# Altium PCB 布线后WiFiSameScreen _STC15W4K48S4.PcbDoc
Units mil, origin at the board's own origin, x right, y up, seen from the top; angles counter-clockwise.
Board outline 2919 x 1899 mil, 2 copper layers (Top Layer, Bottom Layer); 42 components, 58 nets, 246 pads, 43 vias.
Unrouted connection lines stored in the file: 21.
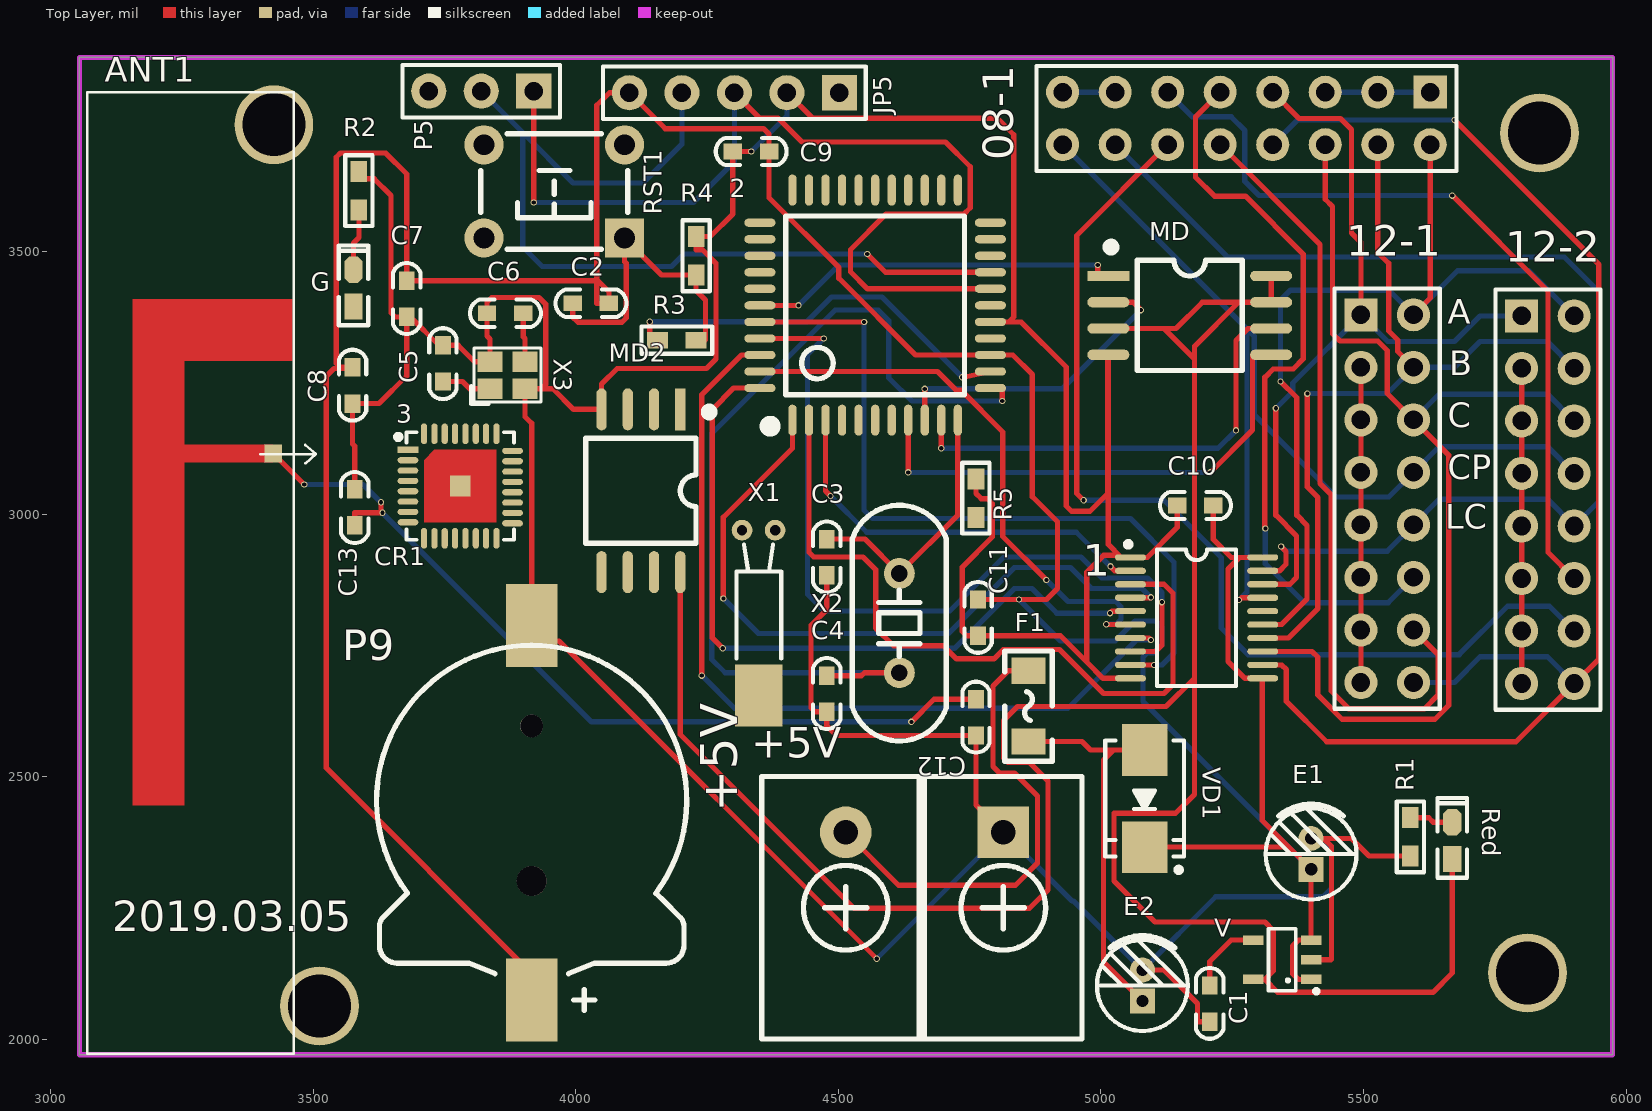
[diagram p0: Top Layer view]
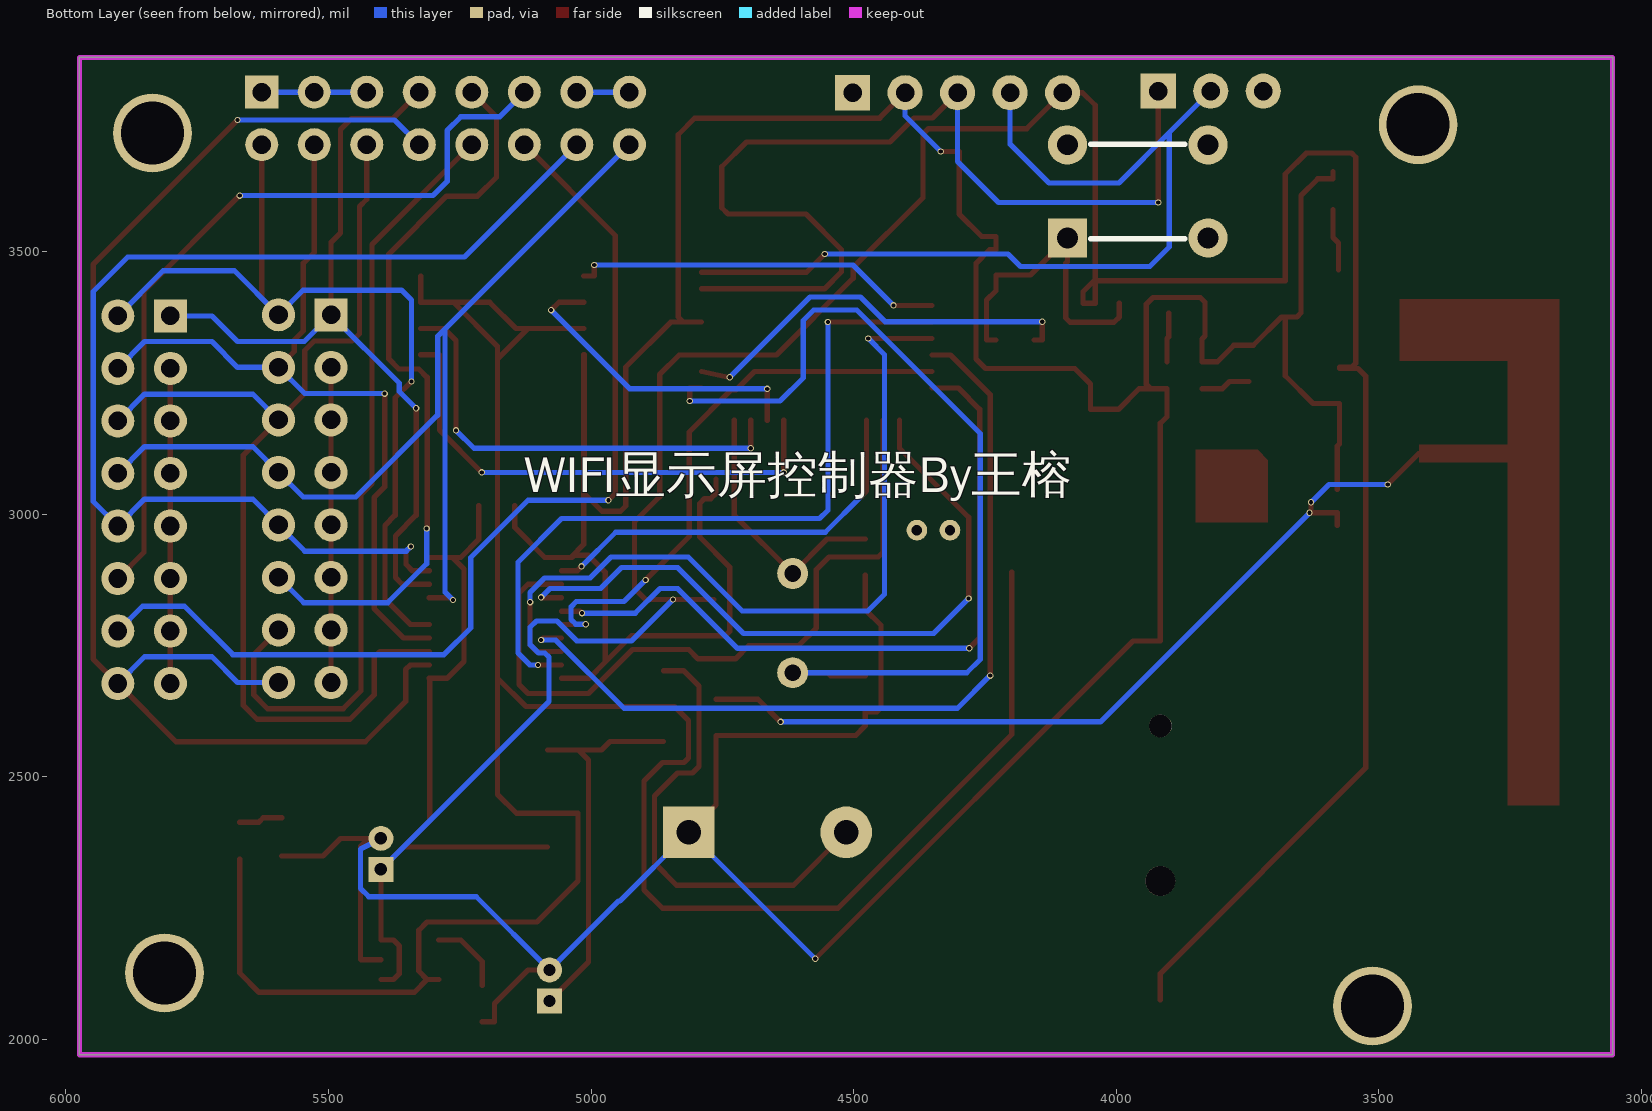
[diagram p1: Bottom Layer view, seen from below]

## Layer stack, top to bottom
Top Solder: solder mask 0.4, Solder Resist, Dk 3.5
Top Layer: signal copper 1.4
Dielectric 1: dielectric 12.6, FR-4, Dk 4.8
Bottom Layer: signal copper 1.4
Bottom Solder: solder mask 0.4, Solder Resist, Dk 3.5

## Board outline
3055,1971 5974,1971 5974,3870 3055,3870

## Design rules (kind name [scope] priority, off if disabled: settings)
Clearance [All] p1: gap=10 ignorepadtopadclearanceinfootprint=FALSE except(0: Arc-Hole Track-Hole SMDPad-Hole THPad-Hole Via-Hole Fill-Hole Poly-Hole Region-Hole Text-Hole)
HoleSize [All] p1: absolutevalues=TRUE maxlimit=150 minlimit=1 maxpercent=80.000 minpercent=20.000
HoleToHoleClearance [All] p1: gap=1 allowstackedmicrovias=TRUE
MinimumSolderMaskSliver [All] p1: minsoldermaskwidth=1
NetAntennae [All] p1: netantennaetolerance=2
PolygonConnect [All] p1: connectstyle=Relief reliefconductorwidth=10 reliefentries=4 polygonreliefangle="90 Angle" airgapwidth=10
RoutingVias [All] p1: holewidth=8 width=12 viastyle="Through Hole" minholewidth=28 minwidth=50 maxholewidth=28 maxwidth=50
SilkToSilkClearance [All] p1: silktosilkclearance=0
SilkToSolderMaskClearance [IsPad] p1: minsilkscreentomaskgap=0 clearancetoexposedcopper=TRUE
SolderMaskExpansion [All] p1: expansion=4
Width [All] p1: maxlimit=120 minlimit=6 preferedwidth=10
24 further rules are at their usual default settings.

## Components (designator, comment, footprint, x,y, rotation, side; value= is the part's Value field where it differs from the comment)
1 "74HC573" TSSOP20_N 5182,2803 r0 top
2 "STC15W4K48S4" "LQFP44 10X10_L" 4570,3398 r0 top
3 "8266EX" "QFN32 5x5_M" 3780,3054 r270 top
08-1 "Header 8X2" HDR2.54-LI-2x8P 5277,3754 r180 top (schematic designator JP3)
12-1 "Header 8X2" HDR2.54-LI-2x8P 5545,3030 r270 top (schematic designator JP1)
12-2 "Header 8X2" HDR2.54-LI-2x8P 5851,3028 r270 top (schematic designator JP2)
+5V "RS485" KF7620-2P 4664,2251 r180 top (schematic designator 5V)
ANT1 "ANT1" 2.4GANTF2 3290,3116 r90 top
C1 "104" "C 0603" 5207,2069 r90 top
C2 "10uF" "C 0603" 4029,3402 r0 top
C3 "104" "C 0603" 4478,2919 r90 top
C4 "104" "C 0603" 4478,2659 r90 top
C5 "6.8pF" "C 0603" 3747,3287 r270 top
C6 "6.8pF" "C 0603" 3866,3383 r0 top
C7 "1uF" "C 0603" 3678,3411 r90 top
C8 "1uF" "C 0603" 3575,3246 r90 top
C9 "10uF" "C 0603" 4334,3691 r0 top
C10 "0.1uF" "C 0603" 5180,3017 r0 top
C11 "TBD(NC)" "C 0603" 4766,2804 r90 top
C12 "2.4pF" "C 0603" 4762,2614 r90 top
C13 "3.0pF" "C 0603" 3579,3013 r270 top
CR1 "1220" CR1220_B 3916,2455.54 r270 top
E1 "10uF/10V" "CAP 1.5*4*8" 5400,2353.53 r90 top
E2 "10uF/10V" "CAP 1.5*4*8" 5079,2103 r90 top
F1 "MSMD200-8V 2A" "FU 1206" 4862,2635 r270 top
G "绿色" "LED 0603G" 3577,3431 r90 top
JP5 "HDR-1X5" HDR2.54-LI-5P 4302,3803 r180 top
MD "MD25BQSIG" SOP8W_L 5169,3379 r0 top
MD2 "MD25BQSIG" SOP8W_L 4124,3045 r270 top
P5 "HDR-1X3" HDR-1X3 3920,3806 r180 top (schematic designator JP4)
R1 "1K" "R 0603" 5589,2386 r270 top
R2 "1K" "R 0603" 3587,3616.5 r90 top
R3 "300R" "R 0603" 4192.5,3332 r0 top
R4 "10K" "R 0603" 4229,3492.5 r270 top
R5 "12K" "R 0603" 4762,3031 r90 top
Red "红色" "LED 0603R" 5669,2379 r90 top
RST1 "3x6x5" "TSW DIP-6*6*5" 3959,3615 r180 top
V "RT9193-3.3" SOT23-5L 5345,2152 r90 top
VD1 "SS24" SMB 5083,2459 r270 top
X1 "12MHz" OSC-2x6-WI-B 4348,2969.96 r180 top
X2 "22.1184MHz" "XTAL-49S DIP" 4616,2793 r90 top
X3 "26M" "OSC 2025-4P" 3870,3265 r0 top

## Footprints (in the part's own frame and the unit in brackets; to place one, negate y for a bottom-side part, rotate by r counter-clockwise, add the part's x,y. Pads: shape width x height; smd on the part's side, far side on the other; paste and mask are expansions set on the pad)
2.4GANTF2 [mil]
  rect 34x34 smd: 1(0,-134)
  Top Layer region: -670.28,35.43 294.29,35.43 294.29,133.86 -670.28,133.86
  Top Layer region: -16.96,-133.86 17.04,-133.86 17.04,133.86 -16.96,133.86
  Top Layer region: 176.18,-170.28 294.29,-170.28 294.29,133.86 176.18,133.86
  silkscreen extent -1143,-215 688,220
"C 0603" [mil] "无极性贴片电容"
  rect 35x30 smd: 1(-35,0) 2(34,0)
  silkscreen extent -67,-26 67,26, body extent -31,-16 31,16, height 32
"CAP 1.5*4*8" [mm] "脚距1.5mm直径4mm高度8mm"
  rect 1.2x1.2 hole 0.6: 1(-0.75,0)
  round 1.2 hole 0.6: 2(0.75,0)
  silkscreen extent -2.2,-2.2 2.41,2.2, body extent -2,-2 2.02,2, height 8.04
CR1220_B [mm] "纽扣电池座"
  round 1.1 hole 1.1: 0(-3.6,0)
  round 1.45 hole 1.45: 0(3.9,0)
  rect 4x2.5 smd: 1(9.652,0) 2(-8.458,0)
  silkscreen extent -7.5,-7.5 10.16,7.5, body extent -9.42,-7.45 10.34,7.45, height 4.05
"FU 1206" [mil] "贴片保险丝"
  rect 50x65 smd: 1(-67.5,0) 2(67.5,0)
  silkscreen extent -105,-45 105,45, body extent -63,-32 63,32, height 34
HDR2.54-LI-2x8P [mm] "双排排针，8x2脚"
  rect 1.6x1.6 hole 0.9: 1(-8.89,-1.27)
  round 1.6 hole 0.9: 2(-8.89,1.27) 3(-6.35,-1.27) 4(-6.35,1.27) 5(-3.81,-1.27) 6(-3.81,1.27) 7(-1.27,-1.27) 8(-1.27,1.27) 9(1.27,-1.27) 10(1.27,1.27) 11(3.81,-1.27) 12(3.81,1.27) 13(6.35,-1.27) 14(6.35,1.27) 15(8.89,-1.27) 16(8.89,1.27)
  silkscreen extent -10.16,-2.54 10.16,2.54, body extent -10.16,-2.54 10.16,2.54, height 8.5
HDR2.54-LI-5P [mm] "排针，5脚"
  rect 1.7x1.7 hole 0.9: 1(-5.08,0)
  round 1.7 hole 0.9: 2(-2.54,0) 3(0,0) 4(2.54,0) 5(5.08,0)
  silkscreen extent -6.35,-1.27 6.35,1.27, body extent -6.35,-1.27 6.35,1.27, height 8.5
HDR-1X3 [mm] "排针，3脚"
  rect 1.7x1.7 hole 0.9: 1(0,0)
  round 1.7 hole 0.9: 2(2.54,0) 3(5.08,0)
  silkscreen extent -1.27,-1.27 6.35,1.27, body extent -1.27,-1.27 6.35,1.27, height 8.5
KF7620-2P [mm] "15.2*12*12mm(长宽高)"
  rect 2.5x2.5 hole 1.2: 1(-3.81,-3.65)
  round 2.5 hole 1.2: 2(3.81,-3.65)
  silkscreen extent -7.62,-6.35 7.87,6.35, body extent -7.62,-6.2 8.32,6.2, height 12.45
"LED 0603G" [mil] "绿色0603LED"
  rect 50x35 smd: 1(-35,0.26)
  oct 50x35 smd: 2(35,0.26)
  silkscreen extent -71,-28 81,28, body extent -31,-16 32,16, height 24
"LED 0603R" [mil] "红色0603LED"
  rect 50x35 smd: 1(-35,0.26)
  oct 50x35 smd: 2(35,0.26)
  silkscreen extent -71,-28 81,28, body extent -31,-16 32,16, height 24
"LQFP44 10X10_L" [mm] "44脚，体宽10x10mm，脚距0.8mm"
  oval 0.4x1.5 smd: 1(-4,-5.551) 2(-3.2,-5.551) 3(-2.4,-5.551) 4(-1.6,-5.551) 5(-0.8,-5.551) 6(0,-5.551) 7(0.8,-5.551) 8(1.6,-5.551) 9(2.4,-5.551) 10(3.2,-5.551) 11(4,-5.551) 23(4,5.578) 24(3.2,5.578) 25(2.4,5.578) 26(1.6,5.578) 27(0.8,5.578) 28(0,5.578) 29(-0.8,5.578) 30(-1.6,5.578) 31(-2.4,5.578) 32(-3.2,5.578) 33(-4,5.578)
  oval 1.5x0.4 smd: 12(5.575,-4) 13(5.575,-3.2) 14(5.575,-2.4) 15(5.575,-1.6) 16(5.575,-0.8) 17(5.575,0) 18(5.575,0.8) 19(5.575,1.6) 20(5.575,2.4) 21(5.575,3.2) 22(5.575,4) 34(-5.575,4) 35(-5.575,3.2) 36(-5.575,2.4) 37(-5.575,1.6) 38(-5.575,0.8) 39(-5.575,0) 40(-5.575,-0.8) 41(-5.575,-1.6) 42(-5.575,-2.4) 43(-5.575,-3.2) 44(-5.575,-4)
  silkscreen extent -5.33,-6.09 4.32,4.32, body extent -6,-6 6,6, height 1.45
"OSC 2025-4P" [mm] "2*2.5*0.55mm(长宽高)"
  rect 1.2x1 smd: 1(-0.85,-0.65) 2(0.85,-0.65) 3(0.85,0.65) 4(-0.85,0.65)
  silkscreen extent -1.75,-1.4 1.63,1.32, body extent -1.25,-1 1.25,1, height 0.55
OSC-2x6-WI-B [mm] "脚距：1.6mm"
  rect 2.3x3 smd: 0(0,8)
  round 1 hole 0.5: 1(0.8,0) 2(-0.8,0)
  silkscreen extent -1.1,0.7 1.07,6.2, body extent -1,-0.16 1,8, height 2.05
"QFN32 5x5_M" [mm] "32脚，长x宽x高：5x5x0.95mm，脚距：0.5mm"
  rect 0.3x1 smd: 1(-1.751,-2.528)
  oval 0.3x1 smd: 2(-1.25,-2.528) 3(-0.75,-2.528) 4(-0.25,-2.528) 5(0.25,-2.528) 6(0.75,-2.528) 7(1.25,-2.528) 8(1.75,-2.528) 17(1.8,2.528) 18(1.3,2.528) 19(0.8,2.528) 20(0.3,2.528) 21(-0.2,2.528) 22(-0.7,2.528) 23(-1.2,2.528) 24(-1.7,2.528)
  oval 1x0.3 smd: 9(2.528,-1.75) 10(2.528,-1.25) 11(2.528,-0.75) 12(2.528,-0.25) 13(2.528,0.25) 14(2.528,0.75) 15(2.528,1.25) 16(2.528,1.75) 25(-2.528,1.75) 26(-2.528,1.25) 27(-2.528,0.75) 28(-2.528,0.25) 29(-2.528,-0.25) 30(-2.528,-0.75) 31(-2.528,-1.25) 32(-2.528,-1.75)
  rect 1x1 smd: 33(0,0)
  Top Layer region: -1.75,1.75 1.75,1.75 1.75,-1.75 -1.25,-1.75 -1.75,-1.25
  silkscreen extent -2.6,-3.12 2.6,2.6, body extent -2.5,-2.5 2.5,2.5, height 0.93
"R 0603" [mil] "1/10W贴片电阻"
  rect 40x31.5 smd: 1(-36.5,0) 2(36.5,0)
  silkscreen extent -68,-26 68,26, body extent -31,-16 32,16, height 16
SMB [mm] "4.7*3.9*2.2mm(长宽高，不包括引脚）"
  rect 2.5x2.2 smd: 1(-2.35,0) 2(2.35,0)
  silkscreen extent -2.8,-1.9 3.57,1.9, body extent -2.63,-1.8 2.67,1.8, height 2.35
SOP8W_L [mil] "5.3*8.3*1.8mm（长宽高）"
  rect 80x19.68 smd: 1(-155,75)
  oval 80x19.68 smd: 2(-155,25) 3(-155,-25) 4(-155,-75) 5(155,-75) 6(155,-25) 7(155,25) 8(155,75)
  silkscreen extent -156,-105 100,136, body extent -155,-104 155,104, height 75
SOT23-5L [mm] "3x1.6x1.1mm(长宽高)"
  rect 0.45x1 smd: 1(-0.95,-1.4) 2(0,-1.4) 3(0.95,-1.4) 4(0.95,1.4) 5(-0.95,1.4)
  silkscreen extent -1.6,-1.73 1.5,0.66, body extent -1.5,-1.4 1.5,1.4, height 1.15
TSSOP20_N [mm] "6.5*6.4*1（长宽高）"
  oval 1.5x0.3 smd: 1(-3.2,2.925) 2(-3.2,2.275) 3(-3.2,1.625) 4(-3.2,0.975) 5(-3.2,0.325) 6(-3.2,-0.325) 7(-3.2,-0.975) 8(-3.2,-1.625) 9(-3.2,-2.275) 10(-3.2,-2.925) 11(3.2,-2.925) 12(3.2,-2.275) 13(3.2,-1.625) 14(3.2,-0.975) 15(3.2,-0.325) 16(3.2,0.325) 17(3.2,0.975) 18(3.2,1.625) 19(3.2,2.275) 20(3.2,2.925)
  silkscreen extent -3.43,-3.3 1.91,3.69, body extent -3.2,-3.25 3.2,3.25, height 1.03
"TSW DIP-6*6*5" [mm] "6*6*5mm"
  rect 1.9x1.9 hole 1: 1(-3.4,2.25)
  round 1.9 hole 1: 2(-3.4,-2.25) 3(3.4,-2.25) 4(3.4,2.25)
  silkscreen extent -3.56,-2.79 3.56,2.79, body extent -4.11,-3 4.11,3, height 4.95
"XTAL-49S DIP" [mm]
  round 1.5 hole 0.8: 1(-2.4,0) 2(2.4,0)
  silkscreen extent -5.7,-2.28 5.7,2.28, body extent -5.68,-2.35 5.68,2.3, height 3.5

## Part data
1: "D类三态输出锁存器", BOM名称=三态输出锁存器, 学习资源=www.ooocke.com, 版权归属=源创客
2: library part STC15W4K48S4-44pin, "STC单片机", BOM名称=STC单片机, 学习资源=www.ooocke.com, 版权归属=源创客
3: library part ESP8266, "ESP", BOM名称=STC单片机, 学习资源=www.ooocke.com, 版权归属=源创客
08-1 12-1 12-2: "8*2P接插件", BOM名称=8*2P接插件, 学习资源=www.ooocke.com, 版权归属=源创客
+5V: library part HEAD2, "KF301"
ANT1: "PCB板载天线", BOM名称=PCB板载天线, 学习资源=www.ooocke.com, 版权归属=源创客
C1 C2 C3 C4 C5 C6 C7 C8 C9 C10 C11 C12 C13: library part C, "无极性贴片电容", BOM名称=无极性贴片电容, 学习资源=www.ooocke.com, 版权归属=源创客
CR1: library part CR-3V, "微型电池", BOM名称=微型电池, 学习资源=www.ooocke.com, 版权归属=源创客
E1 E2: library part C-CT, "贴片固态电容", BOM名称=贴片固态电容, 学习资源=www.ooocke.com, 版权归属=源创客
F1: library part FU, "贴片保险丝", BOM名称=贴片保险丝, 学习资源=www.ooocke.com, 版权归属=源创客
G Red: library part LED-SMD, "贴片LED", BOM名称=贴片LED, 学习资源=www.ooocke.com, 版权归属=源创客
JP5: library part "Header 5", "5P接插件", BOM名称=5P接插件, 学习资源=www.ooocke.com, 版权归属=源创客
MD MD2: library part W25Qxx, "外置Flash", BOM名称=外置Flash, 学习资源=www.ooocke.com, 版权归属=源创客
P5: library part "Header 3", "3P接插件", BOM名称=3P接插件, 学习资源=www.ooocke.com, 版权归属=源创客
R1 R2 R3 R4 R5: library part R, "贴片电阻", BOM名称=贴片电阻, 学习资源=www.ooocke.com, 版权归属=源创客
RST1: library part "TSW 3x6", "3x6轻触开关", BOM名称=3x6轻触开关, 学习资源=www.ooocke.com, 版权归属=源创客
V: library part RT9193, "LOD稳压芯片", BOM名称=稳压芯片, 学习资源=www.ooocke.com, 版权归属=源创客
VD1: "肖特基二极管", BOM名称=肖特基二极管, 学习资源=www.ooocke.com, 属性=40V/2A, 版权归属=源创客
X1 X2: library part XTAL-2, "2脚晶振", BOM名称=2脚晶振, 学习资源=www.ooocke.com, 版权归属=源创客
X3: library part XTAL-4P, "4脚无源晶振", BOM名称=4脚无源晶振, 学习资源=www.ooocke.com, 版权归属=源创客

## Free pads (board coordinates)
  round 150 hole 120: 1(3512,2064) 2(5835,3726) 3(3425,3742) 4(5812,2127)

## Via types
v1: diameter 12, hole 8, Top Layer to Bottom Layer, 43 vias

## Nets (pads, with @x,y where several pads share a name; then routed paths per layer and width w, separated by ;. In a path a pad name is that pad's centre, name@x,y a point inside that pad or via, vN(x,y) a via of type N, cw(c..) or ccw(c..) an arc to the next point about the centre after c; other vN are vias at no path point)
1_3: 08-1.10 12-1.14 | length 1499.7
  Top Layer w10: 08-1.10 5417,3514 5417,3059 5437.76,3038.24 5437.76,2664.24 5472,2630 5616,2630 5642,2656 5642,2733 12-1.14
1D1: 1.9 2.40 | length 1453.3
  Top Layer w10: 2.40 v1(4549,3366.5) ; 1.9 v1(5101,2713.43)
  Bottom Layer w10: v1(4549,3366.5) 4549,3008 4565,2992 5056,2992 5139,2909 5139,2736 5116.43,2713.43 v1(5101,2713.43)
1D2: 1.8 2.41 | length 1545.6
  Top Layer w10: 2.41 v1(4472,3335.01) ; 1.8 5104,2739.02 5116,2751.02 v1(5116,2833)
  Bottom Layer w10: v1(4472,3335.01) 4441,3304.01 4441,2848 4473,2816 4712,2816 4815,2919 4961.63,2919 5001.63,2879 5088.4,2879 5116,2851.4 v1(5116,2833)
1D3: 1.7 2.42 | length 1651.8
  Top Layer w10: v1(4240,2693) 4240,3228 4315.51,3303.51 2.42 ; 1.7 5091.39,2764.61 v1(5095,2761)
  Bottom Layer w10: v1(4240,2693) 4302,2631 4937.32,2631 5067.32,2761 v1(5095,2761)
1D4: 1.6 2.43 | length 1091.8
  Top Layer w10: 2.43 4688.63,3272.02 4723.81,3236.84 4733.18,3236.84 4813,3157.02 4813,2958 v1(4896,2875) ; v1(5009.94,2791) 5010.74,2790.2 1.6
  Bottom Layer w10: v1(4896,2875) 4937,2834 5028,2834 5038,2824 5038,2800 5029,2791 v1(5009.94,2791)
1D5: 1.5 2.44 | length 1414.9
  Top Layer w10: v1(4280,2745) 4260,2765 4260,3200 4300.52,3240.52 2.44 ; v1(5017,2812) 5020.8,2815.8 1.5
  Bottom Layer w10: v1(4280,2745) 4721,2745 4835,2859 4868.82,2859 4915.82,2812 v1(5017,2812)
1D6: 1.4 2.1 | length 1350.4
  Top Layer w10: v1(4281,2840) 4281,2994.48 4412.52,3126 2.1 ; 1.4 5094.39,2841.39 v1(5095,2842)
  Bottom Layer w10: v1(4281,2840) 4347.55,2773.45 4709.45,2773.45 4835,2899 4941.63,2899 4981.63,2859 5078,2859 v1(5095,2842)
1D7: 1.3 2.2 | length 1404.8
  Top Layer w10: 2.2 4444.02,2928 4453.02,2919 4547,2919 4571,2895 4571,2784 4605,2750 4700,2750 4725,2725 4796,2725 4814,2743 4920.71,2743 5004.71,2659 5120,2659 5137,2676 5137,2849.98 5120,2866.98 1.3
1D8: 1.2 2.3 | length 778.4
  Top Layer w10: 2.3 4475.51,3044.49 v1(4485,3035) ; v1(5018,2901) 5026.43,2892.57 1.2
  Bottom Layer w10: v1(4485,3035) 4554,2966 4953,2966 v1(5018,2901)
1Q1: 1.12 08-1.8 12-1.16 12-2.16 | length 2654.3
  Top Layer w10: 1.12 5344,2713.43 5353,2704.43 5353,2643.96 5429.96,2567 5790,2567 12-2.16 5948,2725 5948,3476 v1(5673,3751)
  Bottom Layer w10: 08-1.8 5374,3751 v1(5673,3751) ; 12-1.16 5673,2680 5722,2729 5850,2729 12-2.16
1Q2: 1.13 08-1.6 12-1.6 12-2.6 | length 2015.3
  Top Layer w10: 1.13 5401.98,2739.02 5413,2728 5413,2656 5459,2610 5636,2610 5662,2636 5662,3113 12-1.6 5545,3230 5545,3312 5527,3330 5455,3330 5441,3344 5441,3586 5427,3600 08-1.6
  Bottom Layer w10: 12-1.6 5644,3229 5850,3229 12-2.6
1Q3: 1.14 08-1.4 12-1.4 12-2.4 | length 1568.2
  Top Layer w10: 1.14 5357,2764.61 5413,2820.61 5413,3032 5393,3052 v1(5393,3230) ; 08-1.4 5527,3499 5548,3478 5548,3349.29 5565,3332.29 5565,3310 12-1.4
  Bottom Layer w10: v1(5393,3230) 5545,3230 12-1.4 5673,3280 5722,3329 5850,3329 12-2.4
1Q4: 1.15 08-1.2 12-1.2 12-2.2 | length 1688.8
  Top Layer w10: 1.15 5344,2790.2 5392.51,2838.72 5392.51,2979.06 5373,2998.58 5373,3222 v1(5342,3253) ; 12-1.2 5627,3412 08-1.2
  Bottom Layer w10: v1(5342,3253) 5342,3408 5361,3427 5548,3427 12-1.2 5679,3464 5815,3464 12-2.2
1Q5: 1.16
1Q6: 1.17 08-1.16 12-1.8 12-2.8 | length 1969.7
  Top Layer w10: v1(5263,2837) 5267.39,2841.39 1.17
  Bottom Layer w10: 08-1.16 5278,3353 ; v1(5263,2837) 5278,2852 5278,3353 ; 12-2.8 5850,3129 5644,3129 12-1.8 5548,3033 5448,3033 5292,3189 5292,3339 5278,3353
1Q7: 1.18 08-1.7 12-1.1 12-2.1 | length 1540.8
  Top Layer w10: 1.18 5359.77,2866.98 5372.51,2879.72 5372.51,2959.06 5333,2998.58 v1(5333,3202) ; 08-1.7 5377,3754 5456,3754 5477,3733 5477,3536 5495,3518 12-1.1
  Bottom Layer w10: v1(5333,3202) 5365.15,3234.15 5365.15,3250.15 12-1.1 5546,3329 5673,3329 5722,3378 12-2.1
1Q8: 1.19 08-1.14 12-1.10 12-2.10 | length 2214
  Top Layer w10: 1.19 5340,2892.57 5352.51,2905.08 5352.51,2929.55 v1(5343,2939.06)
  Bottom Layer w10: 08-1.14 5241,3490 5882,3490 5948,3424 5948,3025 12-2.10 5850,3029 5644,3029 12-1.10 5545,2930 5352.06,2930 v1(5343,2939.06)
2_3: 08-1.12 12-2.14 | length 1945.9
  Top Layer w10: v1(4967,3027) 4954,3040 4954,3531 08-1.12
  Bottom Layer w10: v1(4967,3027) 5120,3027 5229,2918 5229,2784 5280,2733 5682,2733 5774,2825 5854,2825 12-2.14
13: 08-1.9 12-1.12 | length 1422.4
  Top Layer w10: 08-1.9 5180,3757 5180,3642 5216,3606 5275,3606 5385,3496 5385,3296 5366,3277 5328,3277 5312,3261 5312,2974 v1(5313,2973)
  Bottom Layer w10: v1(5313,2973) 5313,2906 5387,2832 5547,2832 12-1.12
23: 08-1.11 12-2.12 | length 1505.5
  Top Layer w10: v1(5669,3607) 5851,3425 5851,2928 12-2.12
  Bottom Layer w10: 08-1.11 5174,3757 5248,3757 5274,3731 5274,3634 5301,3607 v1(5669,3607)
ADC: 2.7
CE: 2.6
CSN: 2.28
GND: 1.1 1.10 2.16 +5V.1 C1.1 C3.1 C4.1 C5.1 C6.1 C7.1 C8.1 C9.1 C10.1 C11.1 C12.1 C13.1 CR1.2 E1.2 E2.2 JP5.2 MD2.4 MD.4 R1.2 R2.2 R4.1 R5.2 V.2 X3.2 X3.4 | length 9709.4
  Top Layer w10: C13.1 3579,3130 3575,3134 C8.1 3625,3211 3678,3264 C7.1 ; R2.2 3587,3639 3616,3639 3648,3607 3648,3384 3656,3376 C7.1 ; v1(4334,3691) C9.1 4299,3572 4256,3529 R4.1 4229,3504 4241,3504 4267,3478 4267,3296 4249,3278 4079,3278 4049,3248 MD2.4 3995.41,3200 3956,3239.41 3934.41,3239.41 ; JP5.2 4450.47,3754.53 4802.47,3754.53 4834,3723 4834,3376 4824.5,3366.5 ; C3.1 4478,2819 4448,2789 4448,2632 4456,2624 C4.1 4478,2597 4496,2579 C12.1 4762,2446.7 +5V.1 ; v1(4573.15,2153.85) 3968,2759 3916,2759 CR1.2 3916,3173.46 3903.46,3186 X3.2 3934.41,3239.41 ; R5.2 4762,3040 4772,3030 4784,3030 4793,3021 4793,2957 4736,2900 4736,2777 4744,2769 C11.1 4923,2769 4972.68,2719.32 ; 2.16 4824.5,3366.5 ; 1.10 5004.16,2687.84 4972.68,2719.32 ; E2.2 5120,2132.53 5184,2068.53 5184,2034 C1.1 ; C10.1 5145,2975.16 5088,2918.16 1.1 1.1@5038.49,2918.16 ; E1.2 5424,2383.06 ; V.2 5438,2152 5439,2153 5439,2368.06 5424,2383.06 ; R1.2 5510.56,2349.5 5477,2383.06 5424,2383.06 ; C7.1 3685,3376 3739,3322 C5.1 3776,3322 3807.41,3290.59 X3.4 3836.54,3334 3831,3339.54 C6.1 3831,3404 3840,3413 3930,3413 3943,3400 3943,3248 3934.41,3239.41 ; 4824.5,3366.5 4848,3366.5 4934,3280.5 4934,3016 4944,3006 4979,3006 5013,3040 5013,3304 MD.4 5014,2942.65 1.1@5038.49,2918.16 ; 4972.68,2719.32 4972.68,2889.68 5005,2922 5032.16,2922 5036,2918.16 1.1@5038.49,2918.16
  Bottom Layer w10: v1(4334,3691) 4402,3759 JP5.2 ; v1(4573.15,2153.85) +5V.1 4944.7,2264 4947.53,2264 E2.2 5218.47,2272 5423,2272 5439,2288 5439,2363 E1.2
GPIO0: 3.15 P5.3
LAN: 3.2 ANT1.1 C12.2 C13.2 | length 1653.2
  Top Layer w10: ANT1.1 v1(3483,3057) ; C13.2 3579,3003 v1@3629,3003 ; v1(3629,3023) v1@3629,3003 ; v1(3632,3003) v1@3629,3003 ; v1(4639,2605) 4682,2648 C12.2
  Bottom Layer w10: v1(3483,3057) 3595,3057 v1(3629,3023) ; v1(3632,3003) 4030,2605 v1(4639,2605)
LED: G.1
MISO: 2.9 MD.2 | length 601.4
  Top Layer w10: 2.9 v1(4664.49,3239.06) ; MD.2 5061,3404 v1(5076,3389)
  Bottom Layer w10: v1(4664.49,3239.06) 4926.05,3239.06 v1(5076,3389)
MOS1: 2.38
MOSI: 2.8 MD.5 | length 967.2
  Top Layer w10: v1(4632.99,3080) 2.8 ; v1(5208,3080) 5288.61,3160.61 5288.61,3304 MD.5
  Bottom Layer w10: v1(4632.99,3080) v1(5208,3080)
Net2_11: 2.11 C3.2 X2.2 | length 503.3
  Top Layer w10: C3.2 4550.49,2953 X2.2 4727.48,2998.97 2.11
Net2_12: 2.12 C4.2 X2.1 | length 1770.7
  Top Layer w10: C4.2 4544,2693 4549.51,2698.51 X2.1 ; 2.12 4812,3240.52 v1(4812,3216)
  Bottom Layer w10: X2.1 4284.49,2698.51 4259,2724 4259,3154 4494,3389 4576,3389 4596,3369 4596,3260 4640,3216 v1(4812,3216)
Net3_27: 3.27 C6.2 X3.3 | length 93.8
  Top Layer w10: C6.2 3900,3338.46 3903.46,3335 X3.3
Net3_28: 3.28 C5.2 X3.1 | length 95.2
  Top Layer w10: C5.2 3784,3253 3797.59,3239.41 X3.1
Net3_31: 3.31 R5.1
Net5V_2: +5V.2 F1.1 | length 892.8
  Top Layer w10: +5V.2 4615,2293.7 4836.7,2293.7 4879,2336 4879,2464 4835.5,2507.5 4807,2507.5 4794.5,2520 4794.5,2673 4824,2702.5 F1.1
NetC1_2: C1.2 V.4 | length 145.3
  Top Layer w10: C1.2 5207,2148.4 5248,2189.4 V.4
NetC2_1: C2.1 R3.2 R4.2 RST1.1 | length 603.8
  Top Layer w10: C2.1 3994,3376 4004,3366 4088,3366 4096,3374 4096,3478 4092.86,3481.14 RST1.1 4163.28,3456 R4.2 4229,3425.87 4246.87,3408 4246.87,3332 R3.2
NetE2_1: E2.1 F1.2 VD1.1 | length 744.4
  Top Layer w10: F1.2 4964,2567.5 4979.98,2551.52 5024,2551.52 ; E2.1 5004.69,2147.78 5004.69,2532.21 5024,2551.52 ; VD1.1 5024,2551.52
NetG_2: G.2 R2.1 | length 118.2
  Top Layer w10: G.2 3576.74,3517 3587,3527.26 R2.1
NetJP1_3: 12-1.3 12-1.5 12-1.7 12-1.9 12-1.11 12-1.13 12-1.15 | length 600
  Top Layer w10: 12-1.15 12-1.13 12-1.11 12-1.9 12-1.7 12-1.5 12-1.3
NetJP2_3: 12-2.3 12-2.5 12-2.7 12-2.9 12-2.11 12-2.13 12-2.15 | length 600
  Top Layer w10: 12-2.15 12-2.13 12-2.11 12-2.9 12-2.7 12-2.5 12-2.3
NetJP3_1: 08-1.1 08-1.3 08-1.5 | length 200
  Bottom Layer w10: 08-1.5 08-1.3 08-1.1
NetJP3_13: 08-1.13 08-1.15 | length 100
  Bottom Layer w10: 08-1.15 08-1.13
NetR1_1: R1.1 Red.2 | length 83.3
  Top Layer w10: R1.1 5624,2422.5 5632.5,2414 Red.2
RST: 2.13 3.32 R3.1 | length 782.5
  Top Layer w10: v1(4141,3367) 4141,3332 R3.1 ; v1(4736,3261) 4736.98,3261 2.13
  Bottom Layer w10: v1(4141,3367) 4440,3367 4487,3414 4583,3414 v1(4736,3261)
RXD: 2.18 3.26 JP5.3 P5.1 | length 1925.8
  Top Layer w10: v1(3920,3594) P5.1 ; JP5.3 4350,3755 4385,3755 4431,3709 4704,3709 4751,3662 4751,3584 4739,3572 4591,3572 4523,3504 4523,3461.99 4555.5,3429.5 2.18
  Bottom Layer w10: v1(3920,3594) 4224,3594 4302,3672 JP5.3
SCK/CLK: 3.21 MD2.6
SCLK: 2.10 MD.6 | length 876.1
  Top Layer w10: v1(4695.98,3126) 2.10 ; v1(5257,3160) 5257,3331 5280,3354 MD.6
  Bottom Layer w10: v1(4695.98,3126) 5223,3126 v1(5257,3160)
SCS/CMD: 3.20 MD2.1
SDI/SD1: 3.23 MD2.5
SDO/SD0: 3.22 MD2.2
SHD/SD2: 3.18 MD2.7
SWP/SD3: 3.19 MD2.3
TXD: 2.19 3.25 JP5.4 P5.2 | length 1731.4
  Top Layer w10: v1(4555,3496) 4590.01,3460.99 2.19
  Bottom Layer w10: P5.2 3899,3727 ; JP5.4 4202,3705 4128,3631 3995,3631 3899,3727 ; v1(4555,3496) 4206,3496 4182,3472 3936,3472 3899,3509 3899,3727
VCC_3.3: MD2.8 MD.3 MD.7 MD.8 Red.1 V.5 | length 4734.5
  Top Layer w10: MD2.8 4199,2581 4530,2250 4864,2250 4899,2285 4899,2492.5 4864,2527.5 4823,2527.5 4814.5,2536 4814.5,2607.5 4841,2634 5124,2634 5178,2688 ; MD.3 5120,3354 ; V.5 5312,2114.6 ; MD.8 MD.7 5262,3404 ; Red.1 5668.74,2126.74 5632,2090 5336.6,2090 5312,2114.6 ; 5120,3354 5178,3296 ; 5120,3354 5143,3354 5193,3404 5262,3404 ; 5178,2688 5178,3296 ; 5178,2688 5178,2467 5142,2431 5024.69,2431 5024.69,2302 5102.69,2224 5312,2224 5328,2208 5328,2130.6 5312,2114.6 ; 5178,3296 5178,3320 5262,3404
VCC_M: 1.11 1.20 2.14 3.1 3.3 3.4 3.11 3.17 3.29 3.30 C2.2 C7.2 C8.2 C9.2 C10.2 C11.2 CR1.1 E1.1 JP5.5 V.1 V.3 VD1.2 | length 7082
  Top Layer w10: CR1.1 3916,2126 3525,2517 3525,3263.5 3539.5,3278 3575,3278 C8.2 3552,3280 3544,3288 3544,3680 3552,3688 3638,3688 3678,3648 C7.2 4040,3445 ; C11.2 v1(4844,2838) 4896,2838 4917,2859 4917,2986 4869.32,3033.68 4869.32,3266.2 4832,3303.51 2.14 4647.16,3303.51 4500.9,3449.77 4500.9,3470.1 4368,3603 C9.2 4368,3724 4357.47,3734.53 4170.47,3734.53 JP5.5 4064,3803 4040,3779 4040,3445 ; VD1.2 5357.52,2366.48 ; C10.2 5214,2952.16 5248,2918.16 5264,2918.16 ; 1.11 1.11@5307,2687.84 ; 1.20 5264,2918.16 ; V.1 5376,2114.6 5365,2125.6 5365,2178.4 5376,2189.4 V.3 5400.12,2256 5400,2256.12 E1.1 5357.52,2366.48 ; 4040,3445 4042,3445 4063,3424 C2.2 4040,3402 4040,3445 ; 5264,2918.16 5242,2896.16 5242,2720 5274.16,2687.84 1.11@5307,2687.84 ; 1.11@5307,2687.84 5307,2417 5357.52,2366.48
  Bottom Layer w10: v1(4844,2838) 4923,2759 5027,2759 5065,2797 5104,2797 5116,2785 5116,2752 5100.14,2736.14 5088,2736.14 5080,2728.14 5080,2644 E1.1
W25_NSS: 2.39 MD.1 | length 716.4
  Top Layer w10: 2.39 v1(4424,3398) ; v1(4994,3475) 4994,3454 MD.1
  Bottom Layer w10: v1(4424,3398) 4501,3475 v1(4994,3475)
pads on no net: 2.4 2.5 2.15 2.17 2.20 2.21 2.22 2.23 2.24 2.25 2.26 2.27 2.29 2.30 2.31 2.32 2.33 2.34 2.35 2.36 2.37 3.5 3.6 3.7 3.8 3.9 3.10 3.12 3.13 3.14 3.16 3.24 3.33 CR1.0 JP5.1 RST1.2 RST1.3 RST1.4 X1.0 X1.1 X1.2

## Keep-outs
Keep-Out Layer:
  the board outline again, w10

## Silkscreen, mask and mechanical layers (free items; w line width, h text height)
Top Overlay:
  text "A" at 5660,3348 h80
  text "B" at 5663,3250 h80
  text "C" at 5660,3151 h80
  text "CP" at 5660,3052 h80
  text "LC" at 5656,2957 h80
  text "P9" at 3555,2703 h100
  text "+5V" at 4334,2518 h100
  text "2019.03.05" at 3117,2187 h100
Bottom Overlay:
  text "WIFI显示屏控制器By王榕" at 5127,3019 h120